# Altium PCB APB.PcbDoc (part 2 of 3) (continued)
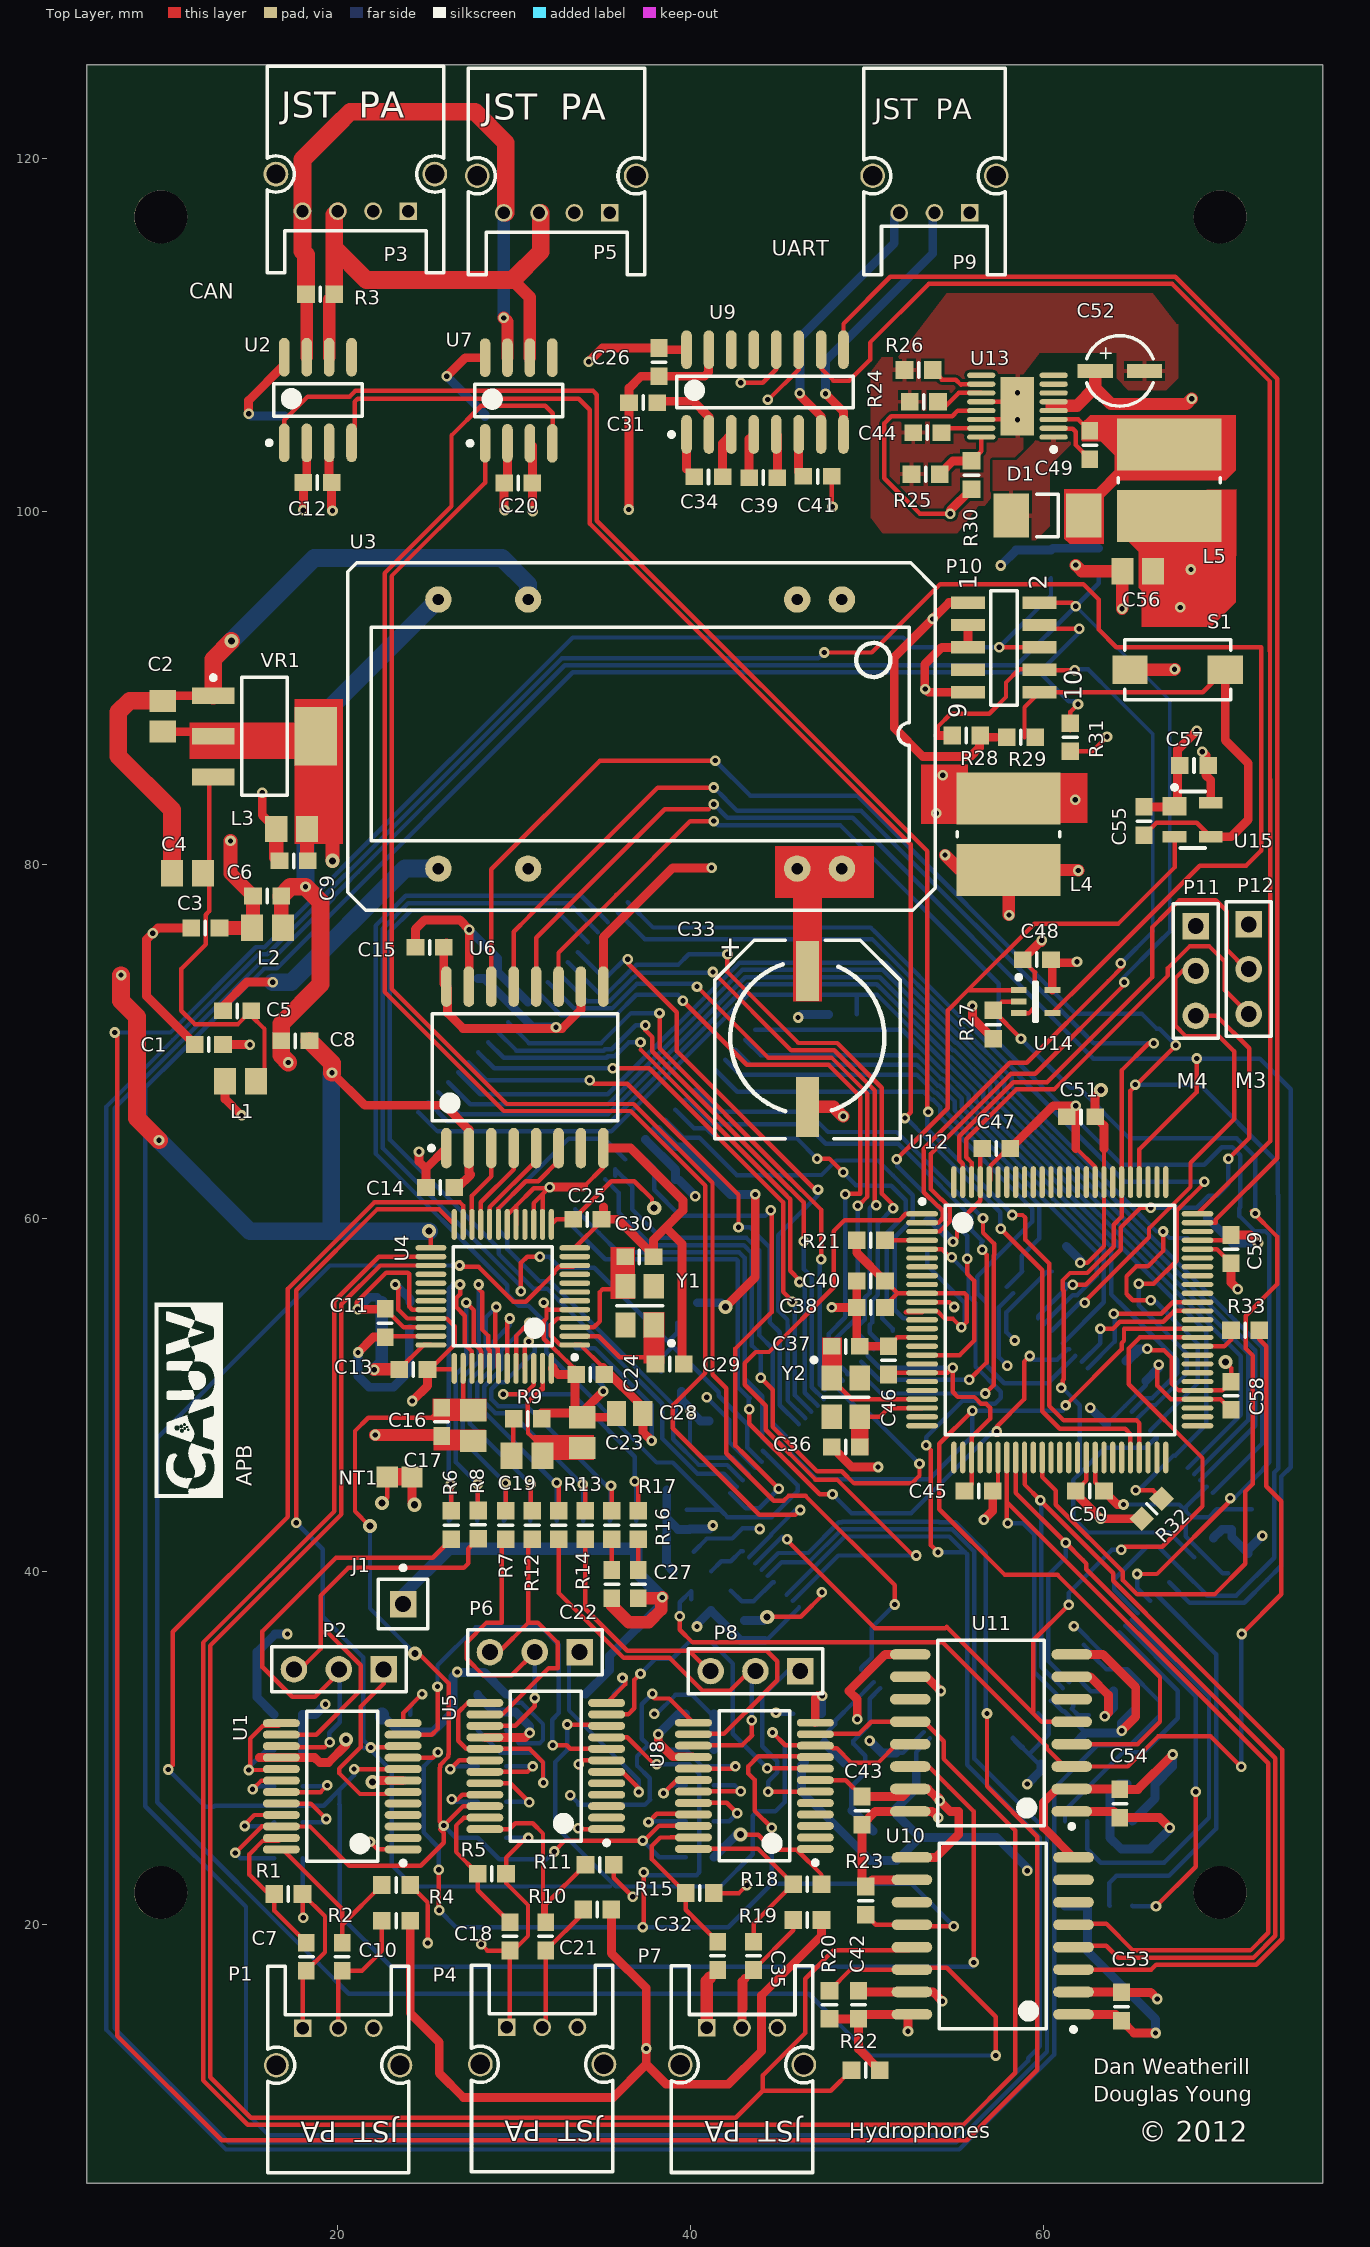
[diagram p0: Top Layer view]
## Nets (pads, with @x,y where several pads share a name; then routed paths per layer and width w, separated by ;. In a path a pad name is that pad's centre, name@x,y a point inside that pad or via, vN(x,y) a via of type N, cw(c..) or ccw(c..) an arc to the next point about the centre after c; other vN are vias at no path point) (continued)
  other v1: 58.519,105.223 58.519,106.747
I/O1: U16.7 U17.50 | length 33.5
  Top Layer w0.254: v1(35.601,68.477) 37.662,68.477 45.24,60.899 45.24,55.821 45.769,55.292 v1(45.769,55.26)
  Bottom Layer w0.254: U16.7@27.967,69.395 28.884,68.477 v1(35.601,68.477) ; v1(45.769,55.26) 45.898,55.131 45.898,54.106 ; 45.898,54.26 45.898,54.106 ; U17.50@46.85,49.021 45.902,49.97 45.902,54.102 45.898,54.106
I/O2: U16.8 U17.51 | length 33.7
  Top Layer w0.25: 45.455,61.255 45.455,61.252 45.642,61.066 45.642,60.812 45.644,60.81
  Top Layer w0.254: 37.169,69.542 45.455,61.255 ; 45.644,60.81 45.644,57.01 46.173,56.48 v1(46.173,56.374)
  Bottom Layer w0.254: U16.8@28.532,69.961 29.413,69.081 35.246,69.081 35.32,69.154 35.706,69.154 36.511,69.96 v1(37.169,69.96) ; v1(46.173,56.374) 46.465,56.082 46.465,54.064 46.469,54.06 46.469,50.11 U17.51@47.203,49.375
I/O3: U16.9 U17.52 | length 34.6
  Top Layer w0.25: 45.622,61.659 45.64,61.659 46.138,61.162
  Top Layer w0.254: v1@37.449,70.637 37.846,70.24 37.846,69.679 ; 37.84,69.673 37.84,69.442 45.622,61.659 ; 46.138,61.162 46.419,60.881 v1(46.419,58.685)
  Bottom Layer w0.254: U16.9@29.098,70.527 30.14,69.485 35.079,69.485 35.153,69.558 35.539,69.558 36.905,70.925 v1(37.447,70.925) ; v1(46.419,58.685) 46.419,57.108 46.869,56.658 46.869,54.235 ; 46.869,54.36 46.869,54.235 ; U17.52@47.557,49.728 46.873,50.413 46.873,54.231 46.869,54.235
I/O4: U16.10 U17.53 | length 35.1
  Top Layer w0.25: 45.651,62.202 45.668,62.202 46.969,60.902 ; 47.394,59.099 47.394,59.785
  Top Layer w0.254: v1(38.244,71.61) 38.25,71.604 38.25,69.604 45.651,62.202 ; 46.969,60.902 47.394,60.477 47.394,59.785 ; v1(47.394,57.66) 47.394,59.099
  Bottom Layer w0.254: U16.10@29.664,71.092 30.846,69.91 34.932,69.91 36.632,71.61 v1(38.244,71.61) ; v1(47.394,57.66) 47.324,57.59 47.324,50.565 U17.53@47.612,50.278
I/O5: U16.13 U17.55 | length 39.4
  Top Layer w0.254: v1(39.569,72.31) 43.194,68.685 47.819,68.685 49.619,66.885 49.619,61.385 49.61,61.376 48.8,61.376 v1(48.773,61.349)
  Bottom Layer w0.254: U16.13@31.361,72.789 32.678,71.473 35.746,71.473 36.921,72.648 39.294,72.648 39.569,72.373 v1(39.569,72.31) ; U17.55@48.618,50.789 47.84,51.567 47.84,53.451 48.773,54.385 v1(48.773,61.349) v1@48.796,61.326
I/O6: U16.14 U17.56 | length 38.9
  Top Layer w0.254: v1(40.369,73.11) 44.39,69.089 47.986,69.089 50.023,67.052 50.023,61.217 49.505,60.699 v1(49.473,60.699)
  Bottom Layer w0.254: U16.14@31.927,73.355 33.405,71.877 35.578,71.877 36.961,73.26 37.144,73.26 40.219,73.26 v1(40.369,73.11) ; U17.56@48.868,51.143 U17.56@48.971,51.143 48.244,51.87 48.244,53.187 49.473,54.416 v1(49.473,60.699)
I/O7: U16.15 U17.60 | length 37.5
  Top Layer w0.254: v1(41.269,73.935) 45.694,69.51 48.136,69.51 50.427,67.219 50.427,60.828 v1@50.423,60.824
  Bottom Layer w0.254: U16.15@32.492,73.921 34.132,72.281 35.411,72.281 36.709,73.579 36.809,73.679 36.85,73.679 37.056,73.885 41.219,73.885 v1(41.269,73.935) ; U17.60@50.385,52.557 50.385,52.574 49.52,53.44 49.52,53.892 49.877,54.249 49.877,55.475 50.15,55.748 50.15,60.551 v1@50.423,60.824
  other v1: 50.523,60.724
I/O8: U16.16 U17.61 | length 38.7
  Top Layer w0.254: v1(42.094,74.935) 42.094,73.935 46.115,69.914 48.304,69.914 50.831,67.387 50.831,61.385 51.473,60.742 v1(51.473,60.548)
  Bottom Layer w0.254: U16.16@33.058,74.486 34.86,72.685 35.244,72.685 36.542,73.983 36.642,74.083 36.683,74.083 36.889,74.289 36.935,74.335 39.294,74.335 39.894,74.935 v1(42.094,74.935) ; U17.61@50.739,52.91 50.15,53.499 50.15,53.951 50.281,54.081 50.281,55.308 50.619,55.645 50.619,59.694 v1(51.473,60.548)
I/O9: U16.29 U17.57 | length 37.7
  Top Layer w0.25: v1(56.569,59.985) 56.569,59.162 57.171,58.56 ; v1(56.694,50.06) 57.171,50.537 57.171,53.812
  Top Layer w0.254: 57.171,53.812 57.171,57.889 57.2,57.919 57.2,58.53 57.171,58.56
  Bottom Layer w0.25: 45.094,66.01 46.648,66.01 47.734,64.923 47.785,64.872 51.681,64.872 52.711,63.843 ; 51.523,50.06 v1(56.694,50.06)
  Bottom Layer w0.254: U16.29@40.27,67.274 41.535,66.01 45.094,66.01 ; U17.57@49.325,51.496 49.357,51.496 50.794,50.06 51.523,50.06 ; 52.711,63.843 v1(56.569,59.985)
I/O10: U16.30 U17.58 | length 35.6
  Top Layer w0.25: v1(55.794,50.835) 56.769,51.81 56.769,57.91 v1@56.494,58.185 ; v1@56.469,58.209 56.513,58.209 v1(56.523,58.199)
  Bottom Layer w0.25: 44.344,65.31 46.569,65.31 47.666,64.212 51.77,64.212 52.543,63.439 ; 50.693,50.835 v1(55.794,50.835)
  Bottom Layer w0.254: U16.30@39.705,66.708 39.841,66.708 41.24,65.31 44.344,65.31 ; U17.58@49.678,51.85 50.693,50.835 ; 52.543,63.439 55.892,60.09 55.892,59.337 56.544,58.685 56.469,58.61 56.469,58.21 56.479,58.199 v1(56.523,58.199)
I/O11: U16.31 U17.63 | length 23.5
  Top Layer w0.25: v1(47.169,63.36) 47.869,63.36 v1(48.644,62.585) v1@48.544,62.585
  Bottom Layer w0.25: 41.475,64.503 46.025,64.503 v1(47.169,63.36) ; v1(48.644,62.585) 49.369,61.86 49.894,61.86 49.919,61.835 51.369,61.835 52.192,61.012 52.192,60.208 51.119,59.135 51.119,55.285 50.969,55.135 50.969,55.045 50.862,54.938 50.862,54.308 51.446,53.723 U17.63@51.446,53.617
  Bottom Layer w0.254: U16.31@39.139,66.142 40.197,65.085 40.894,65.085 41.475,64.503
I/O12: U16.32 U17.65 | length 24.2
  Bottom Layer w0.25: 46.098,62.435 47.419,62.435 48.244,63.26 50.619,63.26 51.444,62.435 ; 51.567,55.939 51.567,58.908 52.594,59.935
  Bottom Layer w0.254: U16.32@38.573,65.577 39.591,64.56 40.497,64.56 42.622,62.435 46.098,62.435 ; 51.444,62.435 52.594,61.285 52.594,59.935 ; 51.567,55.939 51.567,54.807 52.05,54.324 U17.65@52.153,54.324
I/O13: U16.35 U17.37 | length 31.3
  Top Layer w0.25: 44.594,58.985 44.594,54.66 42.544,52.61 42.544,47.11 43.069,46.585 v1(44.994,44.66)
  Top Layer w0.254: v1(44.544,60.435) 44.594,60.385 44.594,58.985
  Bottom Layer w0.25: U17.37@42.254,44.425 43.119,43.56 43.894,43.56 v1(44.994,44.66)
  Bottom Layer w0.254: U16.35@36.876,63.88 37.944,62.812 37.944,61.599 39.408,60.135 44.244,60.135 v1(44.544,60.435)
I/O14: U16.36 U17.39 | length 31.9
  Bottom Layer w0.25: 29.623,58.826 29.623,58.241 31.459,56.406 32.04,56.406 32.107,56.34 32.11,56.34 ; 33.199,55.251 35.054,53.395 ; 39.021,47.507 39.021,47.467 40.478,46.01 42.083,46.01 42.171,45.922
  Bottom Layer w0.254: 29.623,58.826 29.119,59.331 29.119,60.525 33.094,64.5 35.124,64.5 U16.36@36.311,63.314 ; 32.11,56.34 33.199,55.251 ; 35.054,53.395 39.154,49.295 39.154,48.961 39.021,48.827 39.021,47.507 ; 42.171,45.922 U17.39@42.961,45.132
I/O15: U16.37 U17.46 | length 22.4
  Bottom Layer w0.25: 43.087,58.873 43.171,58.873 43.881,58.163 43.884,58.163
  Bottom Layer w0.254: U16.37@35.745,62.398 U16.37@35.745,62.748 36.694,61.8 36.694,60.485 38.305,58.873 43.087,58.873 43.09,58.87 43.09,58.867 ; 43.884,58.163 43.884,53.369 44.653,52.6 44.653,48.389 U17.46@45.436,47.607
I/O16: U16.38 U17.54 | length 38
  Top Layer w0.25: 48.573,45.66 49.266,44.967 52.526,44.967 52.969,45.41 v1(52.969,46.085)
  Top Layer w0.254: v1(43.976,50.96) 44.663,50.273 44.663,48.166 47.169,45.66 48.573,45.66
  Bottom Layer w0.25: 42.917,58.469 42.92,58.465 43.01,58.465 43.48,57.996 ; 43.48,52.773 43.976,52.277 v1(43.976,50.96)
  Bottom Layer w0.254: U16.38@35.179,62.183 35.944,61.418 35.944,60.31 37.784,58.469 42.917,58.469 ; 43.48,52.773 43.48,57.996 ; U17.54@48.264,50.435 48.264,50.414 49.419,49.26 49.794,49.26 v1(52.969,46.085)
IN1: U10.3 U12.34 U17.133 | length 57.3
  Top Layer w0.254: U12.34@58.919,46.435 58.919,44.91 v1(59.819,44.01) 63.944,39.885 63.944,39.452 67.692,35.704 68.088,35.308 73.527,29.869 73.527,19.175 72.053,17.702 67.519,17.702 ; U10.3@61.694,17.429 66.097,17.429 66.369,17.702 67.519,17.702 ; 67.302,17.702 67.519,17.702
  Bottom Layer w0.254: v1(59.819,44.01) 59.869,43.96 59.869,34.588 U17.133@61.098,33.359
IN2: U10.4 U12.33 U17.132 | length 54.2
  Top Layer w0.254: U12.33@58.419,46.435 58.419,44.51 58.419,44.428 v1(61.248,41.598) 62.208,40.639 62.419,40.428 62.419,40.11 67.288,35.241 67.921,34.607 73.123,29.406 73.123,19.342 71.886,18.106 64.223,18.106 63.544,18.785 61.779,18.785 U10.4@61.694,18.699
  Bottom Layer w0.254: v1(61.248,41.598) 61.248,40.774 60.273,39.798 60.273,34.891 U17.132@61.452,33.712
IN3: U10.5 U12.32 U17.134 | length 57.7
  Top Layer w0.254: U12.32@57.919,46.435 57.919,44.135 57.919,43.917 ; v1(57.969,42.71) 57.919,42.76 57.919,43.917 ; U10.5@61.694,19.969 61.759,20.035 63.544,20.035 65.069,18.51 71.719,18.51 72.719,19.51 72.719,29.117 57.919,43.917
  Bottom Layer w0.254: v1(57.969,42.71) 58.84,42.71 59.465,42.085 59.465,34.285 U17.134@60.745,33.005
IN4: R33.1 R36.1 U11.3 | length 65.6
  Top Layer w0.25: v1(39.394,37.435) 39.394,36.685 40.119,35.96 54.294,35.96 60.169,30.084 60.169,29.961 61.2,28.929 U11.3@61.594,28.929 64.773,28.929 66.478,30.635 69.469,30.635 v1(71.194,28.91) ; v1(71.219,36.435) 73.469,38.685 73.469,43.96 72.619,44.81 72.619,52.735 72.219,53.135 R33.1@72.219,53.635
  Bottom Layer w0.25: v1(39.394,37.435) 39.394,38.235 40.028,38.869 R36.1@40.053,38.869 R36.1@40.053,38.394 ; v1(71.194,28.91) 71.194,36.41 v1(71.219,36.435)
IN5: U11.4 U12.62 U17.45 | length 60.2
  Top Layer w0.25: v1(55.969,49.085) 54.094,47.21 54.094,43.498 57.807,39.785 60.794,39.785 66.594,33.985 66.594,31.46 65.334,30.199 62.604,30.199 U11.4@61.594,30.199 U11.4@61.684,30.11 ; v1(61.244,49.385) 64.419,52.56 64.419,52.911 64.554,53.046 64.554,53.72 66.948,53.72 66.962,53.735 U12.62@68.719,53.735
  Bottom Layer w0.25: U17.45@45.082,47.253 47.126,45.21 53.519,45.21 55.969,47.66 v1(55.969,49.085) 61.094,49.085
IN_ISOL1: U4.21 U6.4 | length 5.1
  Top Layer w0.254: U4.21@28.119,59.635 28.119,60.885 29.984,62.75 U6.4@29.984,63.959
IN_ISOL2: U4.20 U6.5 | length 5.4
  Top Layer w0.254: U4.20@28.619,59.635 28.619,60.61 31.254,63.245 U6.5@31.254,63.959
IN_ISOL3: U4.19 U6.6 | length 6.1
  Top Layer w0.254: U4.19@29.119,59.635 29.119,60.538 30.665,62.085 31.369,62.085 32.524,63.24 U6.6@32.524,63.959
IN_ISOL4: U4.22 U6.3 | length 4.8
  Top Layer w0.254: U4.22@27.619,59.635 27.619,61.26 28.714,62.355 U6.3@28.714,63.959
IN_ISOL5: U4.26 U8.11 U11.12 | length 130.7
  Top Layer w0.25: 49.944,8.631 55.44,8.631 58.394,11.585 58.394,25.31 54.344,29.36 54.344,30.36 53.234,31.469 U11.12@52.444,31.469
  Top Layer w0.254: U4.26@25.294,57.809 22.347,57.809 19.815,55.277 19.815,43.377 12.39,35.952 12.39,11.167 14.926,8.631 49.944,8.631 ; U8.11@47.023,30.784 49.543,30.784 50.229,31.469 U11.12@52.444,31.469 U11.12@52.554,31.36
IP1: C71.2 R6.1 U4.39 | length 20.7
  Top Layer w0.254: v1(26.419,44.91) 26.444,44.884 R6.1@26.444,43.41 ; v1(26.944,56.235) 26.944,55.676 26.717,55.449 26.717,54.971 27.219,54.469 27.219,52.842 27.619,52.442 U4.39@27.619,51.484
  Bottom Layer w0.254: C71.2@26.319,42.86 26.419,42.96 v1(26.419,44.91) 26.296,45.032 26.296,55.987 26.544,56.235 v1(26.944,56.235)
IP2: C76.2 R8.1 U4.40 | length 18.7
  Top Layer w0.254: v1(27.294,55.21) 27.719,54.785 27.719,52.913 28.13,52.502 28.13,52.434 28.144,52.42 28.144,51.509 U4.40@28.119,51.484 ; v1(27.944,44.935) 27.944,43.474 R8.1@27.986,43.432
  Bottom Layer w0.254: v1(27.294,55.21) 27.294,51.735 26.7,51.141 26.7,46.178 v1(27.944,44.935) 27.919,44.909 C76.2@27.919,42.86
IP3: C75.2 R7.1 U4.41 | length 21.3
  Top Layer w0.25: v1(27.994,56.235) 27.994,55.985 28.194,55.785 28.194,53.685 28.534,53.345 28.534,52.601
  Top Layer w0.254: 28.534,52.601 28.619,52.516 U4.41@28.619,51.484 ; R7.1@29.544,43.41 v1@29.544,44.96
  Bottom Layer w0.254: v1(27.994,56.235) 27.994,51.863 27.104,50.974 27.104,47.399 v1(29.519,44.985) 29.519,42.96 C75.2@29.419,42.86
IP4: C79.2 R12.1 U4.42 | length 19.2
  Top Layer w0.254: v1(28.994,54.96) 28.938,54.904 28.938,53.674 28.938,52.768 29.094,52.612 29.094,51.509 U4.42@29.119,51.484 ; v1(30.944,44.91) 30.944,43.51 R12.1@31.044,43.41
  Bottom Layer w0.254: v1(28.994,54.96) 28.398,54.364 28.398,51.696 27.508,50.806 27.508,48.345 v1(30.944,44.91) ; C79.2@30.919,42.86 v1@30.919,44.885
IP5: C78.2 R13.1 U4.43 | length 18.7
  Top Layer w0.254: U4.43@29.619,51.484 29.629,51.494 29.629,52.424 29.629,52.649 29.629,54.17 v1(29.769,54.31) ; v1(32.419,45.01) 32.544,44.885 R13.1@32.544,43.41
  Bottom Layer w0.254: v1(29.769,54.31) 29.769,53.924 28.865,53.02 28.865,51.592 27.912,50.639 27.912,49.409 32.311,45.01 v1(32.419,45.01) C78.2@32.419,42.86
IP6: C81.2 R14.1 U4.44 | length 19.6
  Top Layer w0.254: U4.44@30.119,51.484 30.119,53.316 v1(30.869,54.066) ; v1(33.894,44.91) 34.044,44.759 R14.1@34.044,43.41 ; v1(30.869,54.066) 30.872,54.066 v1(30.869,54.066)
  Bottom Layer w0.254: C81.2@33.919,42.86 33.919,44.884 v1(33.894,44.91) 33.872,44.91 29.839,48.943 28.949,48.943 28.316,49.576 28.316,50.472 29.269,51.424 29.269,52.466 v1(30.869,54.066) ; v1(30.869,54.066) 30.872,54.066 v1(30.869,54.066)
IP7: C80.2 R17.1 U4.45 | length 18.1
  Top Layer w0.25: U4.45@30.619,51.484 30.619,52.785 v1(30.844,53.01)
  Top Layer w0.254: R17.1@35.544,43.41 v1@35.544,44.785
  Bottom Layer w0.254: 29.391,50.701 29.116,50.701 28.72,50.304 28.72,49.743 29.116,49.347 30.731,49.347 v1@35.244,44.835 ; 29.466,50.707 31.164,52.405 31.164,52.689 v1(30.844,53.01) ; C80.2@35.419,42.86 35.494,42.935 v1(35.494,44.835)
IP8: C89.2 R16.1 U4.46 | length 17.2
  Top Layer w0.254: v1(29.397,50.024) 30.597,50.024 31.119,50.546 U4.46@31.119,51.484 ; v1(36.844,45.085) 37.044,44.885 R16.1@37.044,43.41
  Bottom Layer w0.25: 30.597,50.024 33.304,50.024 33.804,49.524
  Bottom Layer w0.254: v1(29.397,50.024) 30.597,50.024 ; 33.804,49.524 36.844,46.485 v1(36.844,45.085) 36.919,45.009 C89.2@36.919,42.86
LF: C19.1 C23.1 U4.47 | length 6
  Top Layer w0.25: U4.47@31.619,51.484 31.619,50.309 31.525,50.309 30.781,49.565 30.781,48.23 30.794,48.217 30.794,47.816 31.645,46.965 C19.1@31.645,46.952
  Top Layer w0.5: C19.1@31.608,46.535 31.608,46.973 C19.1@31.794,47.16
M3_R\S\T\: U12.17 U14.1 U15.2 | length 45.8
  Top Layer w0.25: v1(51.673,63.324) 52.958,64.61 54.569,66.22 54.569,71.76 55.719,72.91 ; U12.17@53.119,52.235 55.244,52.235 56.069,53.06 56.069,56.435 55.669,56.835 v1(55.669,57.685) ; U14.1@58.594,72.909 55.719,72.91 ; U15.2@67.418,81.599 67.418,79.859 64.219,76.66 59.469,76.66 55.719,72.91
  Bottom Layer w0.25: v1(51.673,63.324) 51.719,63.279 51.719,62.935 55.669,58.985 v1(55.669,57.685)
M3_UART.RXD: U9.9 U12.74 | length 79.8
  Top Layer w0.25: U9.9@48.664,109.185 48.664,110.654 51.319,113.31 67.459,113.31 73.229,107.54 73.229,95.374 ; 73.219,95.385 73.229,95.374 ; 73.229,85.024 73.229,95.374
  Top Layer w0.254: U12.74@68.719,59.735 69.749,59.735 69.749,59.911 73.229,63.391 73.229,85.024
M3_UART.TXD: U9.10 U12.75 | length 81.3
  Top Layer w0.25: U9.10@47.394,109.185 47.394,108.135 48.094,107.435 48.994,107.435 50.173,108.614 50.173,109.589 53.494,112.91 67.294,112.91 72.819,107.385 72.819,92.11 72.825,92.103 72.825,84.856
  Top Layer w0.254: U9.10@47.394,108.606 U9.10@47.394,109.185 ; U12.75@68.719,60.235 72.825,64.341 72.825,84.856
M4_R\S\T\: U14.4 U17.128 | length 247.6
  Top Layer w0.25: v1(47.569,92.035) 50.269,92.035 54.144,95.91 62.244,95.91 63.119,95.035 63.119,93.335 64.119,92.335 72.319,92.335 72.319,80.81 71.469,79.96 68.844,79.96 64.987,76.103 62.529,73.645 U14.4@60.494,71.61
  Bottom Layer w0.25: v1(47.569,92.035) 47.244,91.71 32.959,91.71 32.714,91.71 20.794,79.789 20.164,79.16 19.369,78.364 19.369,78.273 18.68,77.585 16.03,74.935 15.691,74.935 15.534,74.935 10.709,70.11 6.894,66.294 6.894,14.028 13.687,7.235 55.225,7.235 60.594,12.603 60.594,27.685 63.044,30.135 64.894,30.135 66.569,31.81 66.569,32.61 64.744,34.435 63.558,34.435 U17.128@62.866,35.127 62.866,35.233 62.282,35.817
M4_UART.RXD: U9.12 | length 3.5
  Top Layer w0.25: v1@42.769,107.385 v1(42.844,107.31) 44.094,107.31 44.854,108.069 U9.12@44.854,109.185
M4_UART.TXD: U9.11 | length 3.6
  Top Layer w0.25: v1(44.369,106.36) 44.419,106.36 46.124,108.065 U9.11@46.124,109.185
NCE: U16.6 U17.48 | length 32.8
  Top Layer w0.25: v1(42.719,59.485) 42.719,61.31
  Top Layer w0.254: v1@34.519,67.61 36.419,67.61 42.667,61.361
  Bottom Layer w0.25: v1(42.719,59.485) 43.344,59.485 44.494,58.335
  Bottom Layer w0.254: U16.6@27.401,68.829 28.431,67.8 v1(34.297,67.8) ; 44.494,58.335 44.494,54.085 45.057,53.521 45.057,49.4 U17.48@46.143,48.314
NetC7_2: C19.2 R9.2 | length 2.5
  Top Layer w0.25: C19.2@29.895,46.952 29.956,47.012 R9.2@29.956,48.952
  Top Layer w0.5: C19.2@29.858,46.535 29.858,46.915 C19.2@29.895,46.952
NetC27_2: C22.2 R17.2 | length 1.8
  Top Layer w0.254: C22.2@35.544,40.059 R17.2@35.544,41.81
NetC28_2: C27.2 R16.2 | length 1.8
  Top Layer w0.254: C27.2@37.044,40.059 R16.2@37.044,41.81
NetC29_1: C52.1 L4.1 P3.2 P5.2 U13.4 U13.5 | length 23.7
  Top Layer w0.7: v1(53.919,82.935) 53.919,83.635 54.044,83.759 L4.1@58.019,83.759 ; v1(54.294,85.085) 55.619,83.759 L4.1@58.019,83.759 ; 60.469,105.985 60.494,106.01 61.894,106.01 62.919,107.034 C52.1@62.919,107.985 62.919,107.01 63.644,106.285 63.819,106.11 68.094,106.11 v1(68.394,106.41) ; v1(61.794,83.685) 61.719,83.759 L4.1@58.019,83.759
NetC30_1: C49.1 D1.2 L5.2 U13.3 | length 2.3
  Top Layer w0.25: U13.3@60.569,105.234 61.969,105.234 C49.1@62.619,104.585
NetC30_2: C49.2 U13.2 | length 3.2
  Top Layer w0.25: U13.2@60.569,104.735 60.594,104.71 61.644,104.71 61.819,104.535 61.819,103.785 C49.2@62.619,102.985
NetC34_1: C44.1 U13.15 | length 2.4
  Top Layer w0.25: C44.1@54.219,104.484 54.469,104.735 U13.15@56.469,104.735
NetC42_2: C95.2 U17.12 Y3.2 | length 9.9
  Bottom Layer w0.25: Y3.2@49.143,26.448 49.098,26.493 49.098,27.781 49.844,28.527 49.844,28.829 49.895,28.881 49.895,29.548 49.213,30.229 49.213,30.379 50.155,31.321 50.155,32.775 U17.12@50.739,33.359
  Bottom Layer w0.5: Y3.2@49.143,26.448 49.174,26.448 C95.2@50.353,25.269
NetC50_2: C4.2 C5.2 L1.2 VR1.3 | length 23.1
  Top Layer w0.25: VR1.3@12.969,84.985 12.744,84.759 12.744,77.384 12.544,77.185 12.544,75.496 11.158,74.109 11.158,73.935 11.158,71.746 11.919,70.985 14.369,70.985 C5.2@15.119,71.735 15.119,71.46 15.869,70.71 15.869,68.224 L1.2@15.38,67.735
NetC58_1: C36.1 U12.23 Y2.2 | length 3.7
  Top Layer w0.25: Y2.2@49.594,48.735 50.719,48.735 51.219,49.235 U12.23@53.119,49.235
NetC59_1: C37.1 U12.22 Y2.1 | length 5.7
  Top Layer w0.25: Y2.1@47.994,50.935 47.994,50.871 49.13,49.735 U12.22@53.119,49.735
NetC69_1: C33.1 L4.2 U3.22 U3.23 | length 11
  Top Layer w0.7: C33.1@46.619,73.484 C33.1@46.619,73.997 ; v1(54.419,80.56) 55.269,79.71 L4.2@58.019,79.71 ; v1(58.044,77.16) 58.019,77.185 L4.2@58.019,79.71 ; v1(61.969,79.685) 61.944,79.71 L4.2@58.019,79.71
NetC73_1: C10.1 R4.2 U1.24 | length 9.9
  Top Layer w0.254: U1.24@16.822,24.235 16.894,24.235 20.272,20.857 20.272,19.974 ; C10.1@20.272,18.958 20.272,19.974 ; R4.2@22.52,22.222 20.272,19.974
NetC73_2: C10.2 P1.2 R2.1 | length 7.8
  Top Layer w0.254: P1.2@20.044,14.11 20.044,17.129 C10.2@20.272,17.358 21.392,17.358 22.52,18.485 R2.1@22.52,20.19
NetC74_1: C7.1 R1.2 U1.23 | length 8.7
  Top Layer w0.254: U1.23@16.822,24.884 16.674,24.737 15.789,24.737 15.019,23.966 15.019,22.797 16.102,21.714 R1.2@16.424,21.714 16.424,20.774 C7.1@18.24,18.958
NetC77_1: C61.1 U1.21 | length 4.2
  Top Layer w0.254: v1(14.744,25.56) 14.744,25.585 14.719,25.61 15.294,26.185 U1.21@16.822,26.185
  Bottom Layer w0.254: v1(14.744,25.56) 16.206,25.56 C61.1@16.424,25.778
NetC77_2: C61.2 U1.20 | length 4.3
  Top Layer w0.254: U1.20@16.822,26.835 18.494,26.835 v1(19.369,25.96)
  Bottom Layer w0.254: C61.2@18.024,25.778 19.187,25.778 v1(19.369,25.96)
NetC78_1: C63.1 U1.19 | length 4.2
  Top Layer w0.254: U1.19@16.822,27.484 19.044,27.484 v1(19.419,27.86)
  Bottom Layer w0.254: C63.1@18.024,27.81 19.369,27.81 v1(19.419,27.86)
NetC78_2: C63.2 U1.18 | length 3.1
  Top Layer w0.254: v1(15.194,27.635) 15.694,28.135 U1.18@16.822,28.135
  Bottom Layer w0.254: v1(15.194,27.635) 15.369,27.81 C63.2@16.424,27.81
NetC86_1: C21.1 R11.2 U5.24 | length 12.7
  Top Layer w0.254: U5.24@28.349,25.382 29.741,25.382 30.069,25.71 31.069,25.71 31.644,25.135 31.644,20.54 C21.1@31.799,20.385 ; C21.1@31.799,20.105 C21.1@31.799,20.385 ; R11.2@34.047,23.369 31.799,21.121 C21.1@31.799,20.385
NetC86_2: C21.2 P4.2 R10.1 | length 7.6
  Top Layer w0.25: C21.2@31.799,18.505 33.919,20.624 R10.1@33.919,20.835
  Top Layer w0.254: P4.2@31.595,14.164 31.799,14.368 C21.2@31.799,18.505
NetC87_1: C18.1 R5.2 U5.23 | length 8.6
  Top Layer w0.254: U5.23@28.349,26.032 27.166,26.032 26.719,25.585 26.719,24.094 R5.2@27.951,22.861 27.951,21.921 C18.1@29.767,20.105
NetC90_1: C68.1 U5.21 | length 3.6
  Top Layer w0.254: v1(26.469,27.085) 26.519,27.035 26.769,27.035 27.066,27.332 U5.21@28.349,27.332
  Bottom Layer w0.254: v1(26.469,27.085) 26.469,27.035 26.578,26.925 C68.1@27.951,26.925
NetC90_2: C68.2 U5.20 | length 4.3
  Top Layer w0.254: U5.20@28.349,27.982 29.796,27.982 v1(30.869,26.91)
  Bottom Layer w0.254: C68.2@29.551,26.925 30.853,26.925 v1(30.869,26.91)
NetC91_1: C69.1 U5.19 | length 4.4
  Top Layer w0.254: U5.19@28.349,28.632 30.766,28.632 v1(31.069,28.935)
  Bottom Layer w0.254: C69.1@29.551,28.957 29.574,28.935 v1(31.069,28.935)
NetC91_2: C69.2 U5.18 | length 3.8
  Top Layer w0.254: v1(26.394,28.785) 26.891,29.282 U5.18@28.349,29.282
  Bottom Layer w0.254: v1(26.394,28.785) 26.566,28.957 C69.2@27.951,28.957
NetC99_1: C35.1 R18.2 U8.24 | length 10.7
  Top Layer w0.254: U8.24@40.123,24.284 43.808,24.284 R18.2@45.821,22.271 43.573,20.023 C35.1@43.573,19.007
NetC99_2: C35.2 P7.2 R19.1 | length 9.1
  Top Layer w0.254: 43.09,15.168 43.09,16.924 C35.2@43.573,17.407 45.821,19.655 R19.1@45.821,20.239
  Top Layer w0.5: P7.2@42.919,14.135 42.919,16.753 43.09,16.924
NetC100_1: C32.1 R15.2 U8.23 | length 9.8
  Top Layer w0.25: U8.23@39.169,24.91 38.282,24.91 37.8,24.428 37.8,23.688 R15.2@39.725,21.763
  Top Layer w0.254: 38.868,24.934 U8.23@40.123,24.934 ; R15.2@39.725,21.763 39.725,20.823 C32.1@41.541,19.007
NetC103_1: C84.1 U8.21 | length 4.8
  Top Layer w0.254: v1(37.619,25.785) 38.094,26.26 40.097,26.26 U8.21@40.123,26.234
  Bottom Layer w0.254: v1(37.619,25.785) 37.661,25.827 38.726,25.827 C84.1@39.725,25.827
NetC103_2: C84.2 U8.20 | length 4.3
  Top Layer w0.254: U8.20@40.123,26.884 42.044,26.884 v1(42.644,26.285)
  Bottom Layer w0.254: C84.2@41.325,25.827 42.186,25.827 v1(42.644,26.285)
NetC104_1: C86.1 U8.19 | length 4.4
  Top Layer w0.254: U8.19@40.123,27.535 v1(42.844,27.535)
  Bottom Layer w0.254: C86.1@41.325,27.859 42.519,27.859 v1(42.844,27.535)
NetC104_2: C86.2 U8.18 | length 3.4
  Top Layer w0.254: v1(38.469,27.415) 39.213,28.16 40.098,28.16 U8.18@40.123,28.184
  Bottom Layer w0.254: v1(38.469,27.415) 38.913,27.859 C86.2@39.725,27.859
NetC114_1: C31.1 U9.2 | length 4.3
  Top Layer w0.5: C31.1@38.119,106.185 38.194,106.26 40.169,106.26 41.044,105.385 U9.2@41.044,104.385
NetC115_1: C34.1 U9.1 | length 2.6
  Top Layer w0.5: U9.1@39.774,104.385 39.774,102.43 C34.1@40.219,101.985
NetC115_2: C34.2 U9.3 | length 2.6
  Top Layer w0.5: C34.2@41.819,101.985 41.819,103.89 U9.3@42.314,104.385
NetC116_1: C39.1 U9.4 | length 2.6
  Top Layer w0.5: C39.1@43.319,101.935 43.319,104.12 U9.4@43.584,104.385
NetC116_2: C39.2 U9.5 | length 2.5
  Top Layer w0.5: U9.5@44.854,104.385 44.919,104.319 C39.2@44.919,101.935
NetC117_1: C41.1 U9.6 | length 2.5
  Top Layer w0.5: U9.6@46.124,104.385 46.124,102.28 C41.1@46.394,102.01
NetD1_1: D1.1 U13.1
NetP1_2: P9.2 U9.8 | length 15.5
  Top Layer w0.5: v1(47.644,106.685) 48.664,105.665 U9.8@48.664,104.385
  Bottom Layer w0.5: v1(47.644,106.685) 47.644,108.56 53.719,114.635 P9.2@53.719,116.935
NetP1_3: P9.3 U9.7 | length 15.4
  Top Layer w0.5: v1(46.194,106.71) 46.194,106.61 47.394,105.41 U9.7@47.394,104.385
  Bottom Layer w0.5: v1(46.194,106.71) 46.194,109.859 51.544,115.21 51.544,116.66 P9.3@51.819,116.935
NetP3_2: P12.2 U12.99 | length 29.2
  Top Layer w0.25: U12.99@55.419,62.035 55.419,63.074 55.219,63.274 55.219,64.625 58.278,67.685 60.194,67.685 66.144,73.635 66.144,76.46 66.978,77.294 67.694,78.01 69.744,78.01 70.369,77.385 70.369,75.21 71.484,74.094 P12.2@71.619,74.094
NetP3_3: P12.3 U12.98 | length 25.9
  Top Layer w0.25: U12.98@55.919,62.035 55.919,63.14 55.619,63.44 55.619,64.46 58.444,67.285 60.594,67.285 67.044,73.735 67.044,74.16 68.269,75.385 69.394,75.385 70.269,74.51 70.269,72.904 P12.3@71.619,71.554
NetP4_2: P11.2 U17.82 | length 28.6
  Top Layer w0.25: v1(62.323,55.199) 62.323,55.264 65.969,58.91 65.969,59.41 68.319,61.76 68.319,63.135 70.794,65.61 70.794,69.435 69.919,70.31 68.044,70.31 67.469,70.885 67.469,73.594 67.869,73.995 P11.2@68.919,73.995
  Bottom Layer w0.25: U17.82@60.391,53.617 60.458,53.617 62.075,55.235 62.294,55.235 62.323,55.205 v1(62.323,55.199)